# KiCad board ulx4m_panel.kicad_pcb (continued)
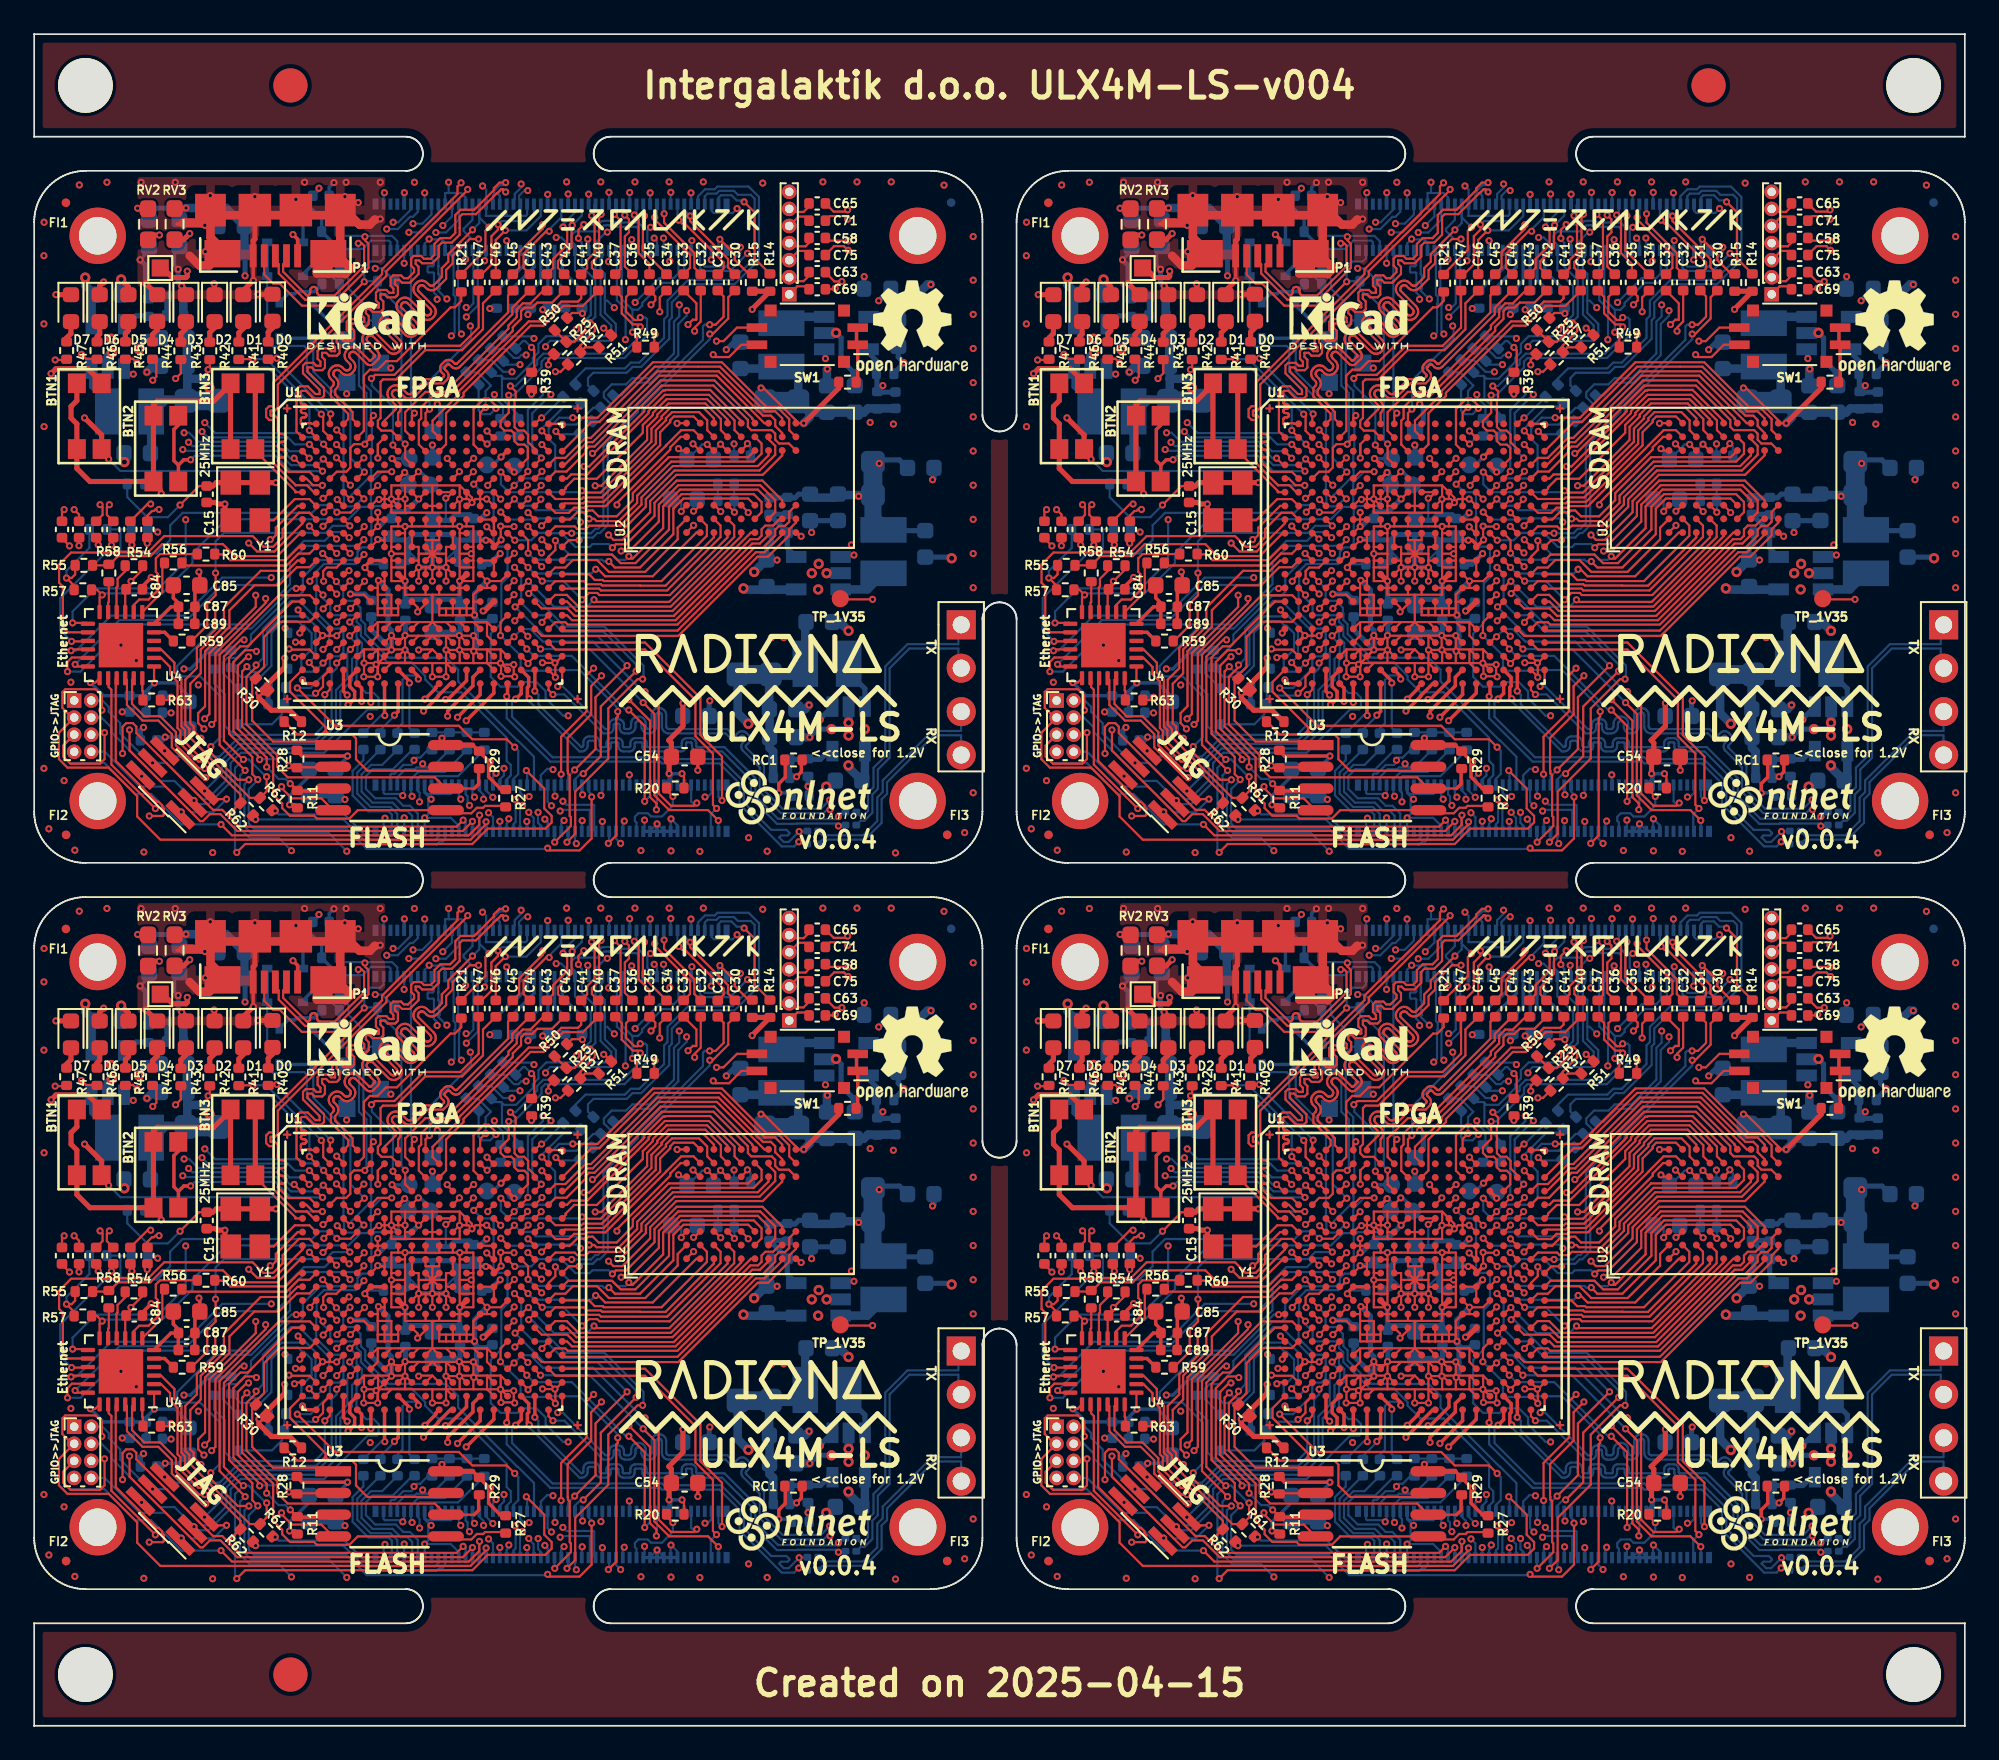
[diagram p0: board, top side]
## Routing (per net, layer and track width the routed paths; a pad name or vN(x,y) marks a point on that pad's centre or on a via; arc(x,y) is an arc through that point) (continued)
  Bottom w0.127: C93#4.2 45.23,9.84 v1(44.78,9.84) 44.17,9.23 43.88,9.23 43.61,9.5 43.72,9.61 44.11,9.61 44.21,9.71 44.21,9.77 44.04,9.94 43.15,9.94 41.55,11.54 41.55,12.75 40.22,14.08 36.85,14.08 36.75,14.18 30.35,14.18 27.98,16.55 27.98,17.38 v1(28.18,17.59)
Board_2-/serdes/S_5_P: length 71.7
  Top w0.127: C65#2.2 46.8,46.12 47.52,46.12 v1(47.62,46.22)
  Top w0.2: U1#3.Y16 27.71,17.79 v1(27.66,17.75)
  In2signal.Cu w0.127: v1(44.76,9.24) 44.99,9.01 48.21,9.01 49.43,10.22 49.43,12.57 52.05,15.19 52.05,22.25 54.49,24.69 54.49,39.07 49.67,43.89 49.67,44.71 48.3,46.07 47.77,46.07 v1(47.62,46.22)
  Bottom w0.127: C94#2.2 45.17,9.19 44.99,9.19 44.94,9.24 v1(44.76,9.24) 44.49,8.97 43.76,8.97 41.29,11.43 41.29,12.64 40.11,13.82 36.75,13.82 36.64,13.93 30.21,13.93 27.66,16.47 v1(27.66,17.75)
Board_2-/serdes/S_6_N: length 3.5
  Top w0.2: v1(24.2,16.59) 24.2,16.89 25.68,18.37 25.68,18.87 U1#3.W14
Board_2-/serdes/S_6_P: length 2.3
  Top w0.2: v1(24.08,17.57) 24.21,17.57 25.31,18.66 U1#3.W13
Board_2-/serdes/S_7_N: length 70.3
  Top w0.127: v1(47.65,43.85) 47.41,44.1 46.83,44.1 46.32,43.59 C75#3.1
  Top w0.2: U1#3.W18 29.31,18.06 v1(29.31,18.06)
  In2signal.Cu w0.127: v1(47.65,43.85) 47.78,43.99 48.14,43.99 49.08,43.04 49.12,42.99 49.15,42.94 49.16,42.88 49.16,42.81 49.15,42.75 49.12,42.69 49.04,42.6 49.01,42.54 49,42.48 49,42.41 49.01,42.35 49.04,42.3 49.08,42.25 49.11,42.22 49.16,42.18 49.21,42.15 49.27,42.14 49.34,42.14 49.4,42.15 49.46,42.18 49.56,42.26 49.61,42.29 49.67,42.3 49.74,42.3 49.8,42.29 49.86,42.26 49.91,42.22 50.42,41.71 50.44,41.68 50.45,41.65 50.46,41.61 50.46,41.58 50.45,41.54 50.44,41.51 50.42,41.48 50.02,41.08 49.96,41.01 49.92,40.93 49.9,40.84 49.9,40.74 49.92,40.65 49.96,40.57 50.02,40.5 50.05,40.46 50.13,40.41 50.21,40.37 50.3,40.34 50.39,40.34 50.48,40.37 50.57,40.41 50.64,40.46 51.04,40.86 51.06,40.88 51.1,40.9 51.13,40.91 51.17,40.91 51.2,40.9 51.24,40.88 51.27,40.86 53.68,38.45 53.68,27.74 52.96,27.02 52.96,24.86 50.69,22.59 50.69,15.04 48.43,12.78 48.43,11.03 47.95,10.55 47.24,10.55 v1(47.08,10.71)
  Bottom w0.127: C91#3.2 47.35,10.98 v1(47.08,10.71) 46.93,10.56 45.15,10.56 45.13,10.58 43.54,10.58 42.22,11.91 42.22,12.97 40.41,14.78 38.83,14.78 38.82,14.78 38.8,14.79 38.79,14.79 38.78,14.81 38.77,14.82 38.76,14.84 38.76,14.85 38.76,15 38.75,15.07 38.73,15.13 38.69,15.19 38.64,15.24 38.59,15.28 38.52,15.3 38.45,15.31 38.21,15.31 38.15,15.3 38.08,15.28 38.02,15.24 37.97,15.19 37.94,15.13 37.91,15.07 37.91,15 37.91,14.85 37.9,14.84 37.9,14.82 37.89,14.81 37.88,14.79 37.86,14.79 37.85,14.78 37.83,14.78 35.93,14.78 35.91,14.78 35.89,14.79 35.88,14.79 35.87,14.81 35.86,14.82 35.86,14.84 35.85,14.85 35.85,15 35.85,15.07 35.82,15.13 35.79,15.19 35.74,15.24 35.68,15.28 35.61,15.3 35.55,15.31 35.21,15.31 35.14,15.3 35.07,15.28 35.02,15.24 34.97,15.19 34.93,15.13 34.91,15.07 34.9,15 34.9,14.85 34.9,14.84 34.89,14.82 34.88,14.81 34.87,14.79 34.86,14.79 34.84,14.78 34.83,14.78 34.53,14.78 34.51,14.78 34.49,14.79 34.48,14.79 34.47,14.81 34.46,14.82 34.46,14.84 34.45,14.85 34.45,15 34.45,15.07 34.42,15.13 34.39,15.19 34.34,15.24 34.28,15.28 34.21,15.3 34.15,15.31 33.81,15.31 33.74,15.3 33.67,15.28 33.62,15.24 33.57,15.19 33.53,15.13 33.51,15.07 33.5,15 33.5,14.85 33.5,14.84 33.49,14.82 33.48,14.81 33.47,14.79 33.46,14.79 33.44,14.78 33.43,14.78 33.23,14.78 33.2,14.78 33.17,14.79 33.15,14.81 33.13,14.83 33.12,14.85 33.11,14.87 33.1,14.9 33.1,15.05 33.09,15.13 33.07,15.2 33.03,15.27 32.97,15.33 32.9,15.37 32.83,15.4 32.75,15.41 32.5,15.41 32.43,15.4 32.35,15.37 32.28,15.33 32.23,15.27 32.18,15.2 32.16,15.13 32.15,15.05 32.15,14.9 32.15,14.87 32.14,14.85 32.12,14.83 32.1,14.81 32.08,14.79 32.05,14.78 32.03,14.78 29.52,17.29 29.52,17.85 v1(29.31,18.06)
Board_2-/serdes/S_7_P: length 70.9
  Top w0.127: v1(47.66,44.41) 47.65,44.42 46.48,44.42 C58.2
  Top w0.2: v1(28.98,17.61) 28.87,17.72 28.87,18.27 28.95,18.35 28.95,18.86 U1#3.W17
  In2signal.Cu w0.127: v1(47.08,10.16) 47.19,10.28 48.04,10.28 48.69,10.92 48.69,12.67 50.95,14.94 50.95,22.49 53.22,24.75 53.22,26.91 53.93,27.63 53.93,38.58 51.44,41.07 51.37,41.13 51.29,41.17 51.2,41.19 51.1,41.19 51.01,41.17 50.93,41.13 50.86,41.07 50.46,40.68 50.43,40.65 50.4,40.64 50.36,40.63 50.33,40.63 50.29,40.64 50.26,40.65 50.23,40.68 50.21,40.7 50.19,40.74 50.18,40.77 50.18,40.81 50.19,40.84 50.21,40.88 50.23,40.9 50.63,41.3 50.69,41.38 50.73,41.46 50.75,41.55 50.75,41.64 50.73,41.73 50.69,41.81 50.63,41.89 48.27,44.25 47.82,44.25 v1(47.66,44.41)
  Bottom w0.127: C92#2.2 47.13,10.22 v1(47.08,10.16) 46.93,10.31 44.68,10.31 44.65,10.29 43.48,10.29 41.96,11.81 41.96,12.83 40.27,14.52 38.81,14.52 38.75,14.53 38.68,14.56 38.62,14.59 38.57,14.64 38.54,14.7 38.51,14.76 38.51,14.83 38.51,14.98 38.5,15 38.5,15.01 38.49,15.02 38.48,15.04 38.46,15.04 38.45,15.05 38.43,15.05 38.23,15.05 38.22,15.05 38.2,15.04 38.19,15.04 38.18,15.02 38.17,15.01 38.16,15 38.16,14.98 38.16,14.83 38.15,14.76 38.13,14.7 38.09,14.64 38.04,14.59 37.99,14.56 37.92,14.53 37.85,14.52 35.91,14.52 35.84,14.53 35.77,14.56 35.72,14.59 35.67,14.64 35.63,14.7 35.61,14.76 35.6,14.83 35.6,14.98 35.6,15 35.59,15.01 35.58,15.02 35.57,15.04 35.56,15.04 35.54,15.05 35.53,15.05 35.23,15.05 35.21,15.05 35.19,15.04 35.18,15.04 35.17,15.02 35.16,15.01 35.16,15 35.15,14.98 35.15,14.83 35.15,14.76 35.12,14.7 35.09,14.64 35.04,14.59 34.98,14.56 34.91,14.53 34.85,14.52 34.51,14.52 34.44,14.53 34.37,14.56 34.32,14.59 34.27,14.64 34.23,14.7 34.21,14.76 34.2,14.83 34.2,14.98 34.2,15 34.19,15.01 34.18,15.02 34.17,15.04 34.16,15.04 34.14,15.05 34.13,15.05 33.83,15.05 33.81,15.05 33.79,15.04 33.78,15.04 33.77,15.02 33.76,15.01 33.76,15 33.75,14.98 33.75,14.83 33.75,14.76 33.72,14.7 33.69,14.64 33.64,14.59 33.58,14.56 33.51,14.53 33.45,14.52 33.2,14.52 33.13,14.53 33.05,14.56 32.98,14.6 32.93,14.66 32.88,14.73 32.86,14.8 32.85,14.88 32.85,15.03 32.85,15.06 32.84,15.08 32.82,15.11 32.8,15.13 32.78,15.14 32.75,15.15 32.73,15.15 32.53,15.15 32.5,15.15 32.47,15.14 32.45,15.13 32.43,15.11 32.42,15.08 32.41,15.06 32.4,15.03 32.4,14.88 32.39,14.8 32.37,14.73 32.33,14.66 32.27,14.6 32.2,14.56 32.13,14.53 32.05,14.52 31.92,14.52 28.98,17.46 v1(28.98,17.61)
Board_2-/usb/D10_R4: length 1.6
  Bottom w0.2: D10#2.1 15.74,45.73 R4.1
Board_2-/usb/D11_R5: length 1.4
  Bottom w0.2: R5#4.1 16.18,42.9 15.74,42.46 D11#4.2
Board_2-/usb/D12_R6: length 2
  Bottom w0.2: R6.1 17.09,39.88 16.33,40.64 D12#3.1
Board_2-/usb/D13_R7: length 2.9
  Bottom w0.2: D13#2.2 14.86,41.31 15.26,41.31 15.38,41.44 16.4,41.44 R7#2.1
Board_2-BTN1: length 25.3
  Top w0.127: BTN1.2 4.36,31.81 v1(4.36,31.63) ; v1(16.87,30.1) 16.86,30.11 16.32,30.11 15.93,30.5 U1#3.E1
  Top w0.3: v1(2.95,34.05) 3.95,33.05 BTN1.2 ; v1(0.99,36.64) 1.28,36.92 3.14,36.92 3.95,36.12 BTN1.2
  In2signal.Cu w0.3: v1(2.95,34.05) 1.75,34.05 0.7,35.1 0.7,36.35 v1(0.99,36.64)
  Bottom w0.127: v1(16.87,30.1) 15.3,30.1 14.46,30.94 5.05,30.94 v1(4.36,31.63)
Board_2-BTN2: length 13.6
  Top w0.127: U1#3.D2 v1(16.88,30.93)
  Top w0.2: 8.45,31.28 8.45,30.33 BTN2#3.2 ; 8.45,31.28 8.18,31.55 8.18,33.37 8.44,33.62 BTN2#3.2 ; 8.45,31.28 8.76,31.6 v1(9.16,31.6)
  Bottom w0.127: v1(9.16,31.6) 9.39,31.83 14.12,31.83 15.02,30.93 v1(16.88,30.93)
Board_2-BTN3: length 7.8
  Top w0.127: 15.3,29.7 15.3,29.76 12.95,32.11 12.95,32.22 ; 15.3,29.7 U1#3.F1 ; 15.3,29.7 15.28,29.72
  Top w0.3: 12.95,32.22 12.95,36.07
Board_2-CAM0_C_N: length 31.9
  Top w0.127: U1#3.E2 16.12,30.89 14.89,30.89 14.26,31.51 14.27,31.56 14.29,31.61 14.31,31.65 14.35,31.69 14.39,31.71 14.44,31.73 14.49,31.74 14.54,31.74 14.59,31.74 14.64,31.76 14.68,31.79 14.71,31.82 14.74,31.87 14.76,31.91 14.76,31.96 14.76,32.01 14.74,32.06 14.71,32.11 14.68,32.14 14.64,32.17 14.59,32.19 14.54,32.19 14.49,32.19 14.44,32.2 14.39,32.21 14.35,32.24 14.31,32.28 14.29,32.32 14.27,32.37 14.26,32.42 14.27,32.47 14.29,32.52 14.31,32.56 14.35,32.6 14.39,32.62 14.44,32.64 14.49,32.65 14.54,32.65 14.59,32.65 14.64,32.67 14.68,32.69 14.71,32.73 14.74,32.77 14.76,32.82 14.76,32.87 14.76,32.92 14.74,32.97 14.71,33.01 14.68,33.05 14.64,33.08 14.59,33.09 14.54,33.1 14.49,33.1 14.44,33.11 14.39,33.12 14.35,33.15 14.31,33.18 14.29,33.23 14.27,33.28 14.26,33.33 14.26,34.01 14.09,34.18 13.86,34.18 13.84,34.2 13.84,34.45 13.86,34.47 14.09,34.47 14.26,34.65 14.26,36 20.62,42.36 20.62,42.63 25.38,47.39 v1(25.38,47.42)
  In2signal.Cu w0.127: v1(25.38,47.42) 25.17,47.42 24.73,46.97 24.73,46.78 24.95,46.55 26.43,46.55 26.43,46.56 26.46,46.55 27.53,46.55 28.51,47.53 v1(28.51,47.73)
  Bottom w0.127: J2#4.40 28.06,46.77 28.13,46.84 28.13,47.15 28.51,47.53 v1(28.51,47.73)
Board_2-CAM0_C_P: length 32.3
  Top w0.127: v1(24.99,47.8) 24.78,47.59 24.78,47.15 20.37,42.73 20.37,42.46 14.01,36.11 14.01,34.75 13.99,34.73 13.75,34.73 13.58,34.56 13.58,34.1 13.75,33.92 13.99,33.92 14.01,33.9 14.01,31.41 15.31,30.11 15.96,30.11 16.37,29.7 U1#3.F2
  In2signal.Cu w0.127: v1(24.99,47.8) 24.99,47.6 24.47,47.08 24.47,46.67 24.85,46.3 27.64,46.3 28.69,47.35 v1(28.89,47.35)
  Bottom w0.127: J2#4.42 28.46,46.77 28.39,46.84 28.39,47.05 28.69,47.35 v1(28.89,47.35)
Board_2-CAM0_D0_N: length 32.1
  Top w0.127: v1(26.02,44.51) 25.49,44.51 24.5,43.52 24.5,43.08 24.12,42.7 24.12,42.18 23.57,41.64 23.5,41.58 23.41,41.54 23.31,41.51 23.21,41.51 23.12,41.54 23.03,41.58 22.95,41.64 22.84,41.75 22.8,41.78 22.76,41.8 22.71,41.81 22.67,41.81 22.62,41.8 22.58,41.78 22.54,41.75 22.53,41.74 22.5,41.7 22.48,41.66 22.47,41.61 22.47,41.52 22.48,41.49 22.49,41.47 23.38,40.59 23.38,40.58 23.44,40.5 23.48,40.41 23.51,40.32 23.51,40.21 23.48,40.12 23.44,40.03 23.38,39.95 23.34,39.91 23.26,39.85 23.17,39.8 23.07,39.78 22.97,39.78 22.87,39.8 22.78,39.85 22.7,39.91 21.85,40.76 21.81,40.79 21.77,40.81 21.72,40.82 21.68,40.82 21.63,40.81 21.59,40.79 21.55,40.76 21.54,40.75 21.51,40.71 21.49,40.67 21.48,40.62 21.48,40.57 21.49,40.52 22.39,39.62 22.39,39.59 22.45,39.51 22.49,39.42 22.52,39.33 22.52,39.22 22.49,39.13 22.45,39.04 22.39,38.96 22.35,38.92 22.27,38.86 22.18,38.81 22.08,38.79 21.98,38.79 21.88,38.81 21.79,38.86 21.71,38.92 20.86,39.77 20.82,39.8 20.78,39.82 20.73,39.83 20.69,39.83 20.64,39.82 20.6,39.8 20.56,39.77 20.55,39.76 20.52,39.72 20.5,39.68 20.49,39.63 20.49,39.58 20.5,39.53 20.52,39.49 21.4,38.61 21.4,38.6 21.46,38.52 21.5,38.43 21.53,38.34 21.53,38.23 21.5,38.14 21.46,38.05 21.4,37.97 21.36,37.93 21.28,37.87 21.19,37.82 21.09,37.8 20.99,37.8 20.89,37.82 20.8,37.87 20.72,37.93 19.84,38.81 19.8,38.84 19.76,38.86 19.71,38.87 19.66,38.87 19.61,38.86 19.57,38.84 19.53,38.81 19.5,38.77 19.47,38.72 19.46,38.68 19.46,38.63 19.47,38.58 20.12,37.93 20.12,37.9 20.17,37.84 20.2,37.78 20.21,37.72 20.21,37.65 20.2,37.59 20.17,37.52 20.12,37.47 19.87,37.22 19.82,37.18 19.76,37.15 19.7,37.14 19.63,37.14 19.56,37.15 19.5,37.18 19.45,37.22 18.82,37.85 18.78,37.88 18.73,37.91 18.69,37.92 18.64,37.92 18.59,37.91 18.54,37.88 18.5,37.85 18.47,37.81 18.45,37.77 18.44,37.72 18.44,37.67 18.45,37.62 18.47,37.58 18.5,37.54 18.67,37.37 18.73,37.29 18.78,37.2 18.8,37.1 18.8,37 18.78,36.9 18.73,36.81 18.67,36.74 18.62,36.68 18.54,36.62 18.45,36.58 18.36,36.56 18.26,36.56 18.16,36.58 18.07,36.62 17.99,36.68 17.89,36.79 17.85,36.82 17.8,36.84 17.76,36.85 17.71,36.85 17.66,36.84 17.62,36.82 17.58,36.79 17.57,36.78 17.54,36.74 17.52,36.7 17.51,36.65 17.51,36.6 17.52,36.56 17.54,36.51 17.57,36.48 17.68,36.37 17.74,36.29 17.78,36.2 17.81,36.11 17.81,36.01 17.78,35.91 17.74,35.82 17.68,35.75 17.63,35.69 17.63,35.4 18.64,34.39 18.64,33.97 U1#3.A5
  Bottom w0.127: J2#4.28 25.66,45.63 25.14,45.11 25.14,44.99 25.61,44.51 v1(26.02,44.51)
Board_2-CAM0_D0_P: length 36.1
  Top w0.127: R21#2.1 25,42.46 26.42,43.88 26.42,45 v1(26.63,45.2) ; U1#3.A4 18.38,33.97 18.38,34.28 17.37,35.29 17.37,35.8 17.48,35.91 17.51,35.94 17.53,35.99 17.54,36.03 17.54,36.08 17.53,36.13 17.51,36.17 17.48,36.21 17.37,36.32 17.31,36.39 17.27,36.48 17.24,36.58 17.24,36.68 17.27,36.77 17.31,36.86 17.37,36.94 17.42,36.99 17.5,37.05 17.59,37.1 17.68,37.12 17.78,37.12 17.88,37.1 17.97,37.05 18.05,36.99 18.15,36.88 18.19,36.85 18.24,36.83 18.28,36.82 18.33,36.82 18.38,36.83 18.42,36.85 18.46,36.88 18.47,36.9 18.5,36.93 18.52,36.98 18.53,37.03 18.53,37.08 18.52,37.13 18.5,37.17 18.47,37.21 18.3,37.38 18.24,37.46 18.2,37.55 18.17,37.65 18.17,37.75 18.2,37.84 18.24,37.93 18.3,38.01 18.34,38.05 18.42,38.12 18.51,38.16 18.61,38.18 18.71,38.18 18.81,38.16 18.9,38.12 18.98,38.05 19.62,37.41 19.63,37.4 19.64,37.4 19.65,37.4 19.67,37.4 19.68,37.4 19.7,37.4 19.71,37.41 19.93,37.64 19.94,37.65 19.95,37.66 19.95,37.68 19.95,37.69 19.95,37.7 19.94,37.72 19.93,37.73 19.33,38.33 19.27,38.41 19.22,38.5 19.2,38.6 19.2,38.7 19.22,38.8 19.27,38.89 19.33,38.97 19.37,39.01 19.45,39.07 19.54,39.11 19.64,39.14 19.74,39.14 19.83,39.11 19.92,39.07 20,39.01 20.88,38.13 20.92,38.1 20.97,38.07 21.02,38.06 21.07,38.06 21.11,38.07 21.16,38.1 21.2,38.13 21.23,38.17 21.25,38.21 21.26,38.26 21.26,38.31 21.25,38.36 21.23,38.4 21.2,38.44 20.35,39.29 20.29,39.37 20.24,39.46 20.22,39.56 20.22,39.65 20.24,39.75 20.29,39.84 20.35,39.92 20.4,39.97 20.48,40.03 20.57,40.07 20.66,40.09 20.76,40.09 20.86,40.07 20.95,40.03 21.02,39.97 21.87,39.12 21.91,39.09 21.96,39.06 22.01,39.05 22.06,39.05 22.1,39.06 22.15,39.09 22.19,39.12 22.22,39.16 22.24,39.2 22.25,39.25 22.25,39.3 22.24,39.35 22.22,39.39 22.19,39.43 21.34,40.28 21.28,40.36 21.23,40.45 21.21,40.55 21.21,40.64 21.23,40.74 21.28,40.83 21.34,40.91 21.39,40.96 21.47,41.02 21.56,41.06 21.65,41.08 21.75,41.08 21.85,41.06 21.94,41.02 22.01,40.96 22.86,40.11 22.9,40.08 22.95,40.05 23,40.04 23.05,40.04 23.09,40.05 23.14,40.08 23.18,40.11 23.21,40.15 23.23,40.19 23.24,40.24 23.24,40.29 23.23,40.34 23.21,40.38 23.18,40.42 22.33,41.27 22.27,41.35 22.22,41.44 22.2,41.54 22.2,41.63 22.22,41.73 22.27,41.82 22.33,41.9 22.38,41.95 22.46,42.01 22.55,42.05 22.64,42.07 22.74,42.07 22.84,42.05 22.93,42.01 23,41.95 23.11,41.84 23.15,41.81 23.19,41.79 23.24,41.78 23.29,41.78 23.33,41.79 23.38,41.81 23.41,41.84 23.86,42.29 23.86,42.81 24.24,43.19 24.24,43.63 24.96,44.34 24.96,44.35 v1(25.66,45.05)
  Bottom w0.127: v1(26.63,45.2) 26.06,45.77 J2#4.30 26.06,45.45 v1(25.66,45.05)
Board_2-CAM0_D1_N: length 32
  Top w0.127: v1(27.6,47.81) 27.24,47.81 26.91,47.49 26.91,47.38 25.86,46.33 25.76,46.23 24.96,46.23 24.65,45.92 24.65,44.87 24.35,44.57 23.77,44.57 23.43,44.23 23.43,43.59 23.2,43.36 23.02,43.36 23.02,43.36 22.82,43.36 22.65,43.53 22.23,43.53 22.07,43.37 22.07,42.95 22.24,42.78 22.24,42.58 21.88,42.22 21.64,42.22 21.47,42.39 21.02,42.39 20.86,42.23 20.86,41.78 21.03,41.61 21.03,41.37 21.03,41.36 20.79,41.36 20.62,41.53 20.16,41.53 20.01,41.38 20.01,40.92 20.18,40.75 20.18,40.51 20.17,40.51 19.94,40.51 19.77,40.68 19.31,40.68 19.15,40.52 19.15,40.07 19.32,39.9 19.32,39.66 19.32,39.66 19.08,39.66 18.91,39.83 18.46,39.83 18.3,39.67 18.3,39.21 18.47,39.04 18.47,38.8 18.47,38.8 18.23,38.8 18.06,38.97 17.6,38.97 17.44,38.81 17.44,38.36 17.61,38.19 17.61,37.95 17.61,37.95 17.37,37.95 17.2,38.12 16.75,38.12 16.59,37.96 16.59,37.5 16.76,37.33 16.76,37.1 16.52,37.1 16.35,37.27 15.9,37.27 15.74,37.11 15.74,36.65 16.71,35.68 16.71,35.44 16.47,35.44 16.02,35.89 15.56,35.89 15.36,35.69 15.36,33.25 U1#3.B1
  Bottom w0.127: J2#4.34 26.86,47.05 26.93,47.12 26.93,47.34 27.26,47.67 27.45,47.67 v1(27.6,47.81)
Board_2-CAM0_D1_P: length 32
  Top w0.127: U1#3.A2 16.25,33.7 16.21,33.74 15.88,33.74 15.8,33.66 15.66,33.66 15.61,33.71 15.61,33.95 15.61,33.97 15.62,34 15.64,34.03 15.66,34.05 15.68,34.06 15.71,34.07 15.74,34.07 15.81,34.07 15.84,34.08 15.87,34.09 15.89,34.1 15.91,34.12 15.93,34.14 15.94,34.17 15.94,34.2 15.94,34.23 15.93,34.26 15.91,34.28 15.89,34.3 15.87,34.31 15.84,34.32 15.81,34.33 15.74,34.33 15.71,34.33 15.68,34.34 15.66,34.35 15.64,34.37 15.62,34.4 15.61,34.43 15.61,34.45 15.61,34.48 15.62,34.51 15.64,34.53 15.66,34.55 15.68,34.57 15.71,34.58 15.74,34.58 15.81,34.58 15.84,34.58 15.87,34.59 15.89,34.61 15.91,34.63 15.93,34.65 15.94,34.68 15.94,34.71 15.94,34.74 15.93,34.76 15.91,34.79 15.89,34.81 15.87,34.82 15.84,34.83 15.81,34.83 15.74,34.83 15.71,34.84 15.68,34.85 15.66,34.86 15.64,34.88 15.62,34.91 15.61,34.93 15.61,34.96 15.61,35.57 15.67,35.63 15.91,35.63 16.36,35.18 16.82,35.18 16.97,35.33 16.97,35.79 16,36.76 16,37 16,37 16.24,37 16.41,36.83 16.87,36.83 17.02,36.99 17.02,37.44 16.85,37.61 16.85,37.85 16.86,37.85 17.09,37.85 17.26,37.68 17.72,37.68 17.88,37.84 17.88,38.3 17.71,38.47 17.71,38.71 17.71,38.71 17.95,38.71 18.12,38.54 18.57,38.54 18.73,38.7 18.73,39.15 18.56,39.32 18.56,39.56 18.56,39.56 18.8,39.56 18.97,39.39 19.43,39.39 19.58,39.55 19.58,40.01 19.42,40.18 19.42,40.41 19.42,40.42 19.66,40.42 19.83,40.25 20.28,40.25 20.44,40.4 20.44,40.86 20.27,41.03 20.27,41.27 20.27,41.27 20.51,41.27 20.68,41.1 21.14,41.1 21.29,41.26 21.29,41.71 21.12,41.88 21.12,42.12 21.13,42.13 21.37,42.13 21.53,41.96 21.99,41.96 22.5,42.47 22.5,42.89 22.33,43.06 22.33,43.26 22.34,43.26 22.54,43.26 22.71,43.09 23.3,43.09 23.69,43.48 23.69,44.12 23.87,44.31 24.45,44.31 24.91,44.76 24.91,45.17 24.91,45.17 24.91,45.82 25.06,45.97 25.86,45.97 27.09,47.2 27.1,47.2 27.34,47.44 27.43,47.44 v1(27.6,47.27)
  Bottom w0.127: v1(27.6,47.27) 27.45,47.41 27.37,47.41 27.19,47.23 27.19,47.12 27.26,47.05 J2#4.36
Board_2-CAM1_C_N: length 20.3
  Top w0.127: v1(16.91,29.34) 16.95,29.34 U1#3.F3
  In2signal.Cu w0.127: v1(16.91,29.34) 16.91,29.46 17.29,29.84 17.29,30.7 17.3,30.7 17.3,30.71 17.3,30.72 17.3,30.74 17.3,30.75 17.3,30.76 17.28,30.77 17.28,30.78 17.28,30.8 17.28,30.81 17.28,30.82 17.28,30.83 17.29,30.84 17.4,30.95 17.41,30.95 17.42,30.96 17.43,30.96 17.44,30.96 17.45,30.96 17.46,30.95 17.48,30.94 17.49,30.93 17.5,30.93 17.51,30.93 17.52,30.93 17.53,30.94 17.54,30.95 17.65,31.05 17.66,31.06 17.66,31.07 17.66,31.08 17.66,31.1 17.66,31.11 17.66,31.12 17.64,31.13 17.64,31.14 17.63,31.15 17.63,31.17 17.64,31.18 17.64,31.19 17.65,31.2 17.76,31.3 17.77,31.31 17.78,31.32 17.79,31.32 17.8,31.32 17.81,31.32 17.82,31.31 17.84,31.3 17.85,31.29 17.86,31.29 17.87,31.29 17.88,31.29 17.89,31.3 17.9,31.3 18.42,31.82 18.41,31.85 18.4,31.88 18.39,31.9 18.37,31.92 18.34,31.94 18.32,31.95 18.29,31.95 18.1,31.95 18.07,31.95 18.04,31.96 18.02,31.98 18,32 17.98,32.02 17.97,32.05 17.97,32.08 17.97,32.1 17.98,32.13 18,32.15 18.02,32.17 18.04,32.19 18.07,32.2 18.1,32.2 18.29,32.2 18.32,32.21 18.34,32.21 18.37,32.23 18.39,32.25 18.4,32.27 18.41,32.3 18.42,32.33 18.42,32.82 19.38,33.78 20.05,33.78 22.47,36.2 22.47,37.98 24.99,40.51 v1(25.29,40.51)
  Bottom w0.127: v1(25.29,40.51) 25.47,40.51 25.71,40.75 25.71,43.79 J2#4.27
Board_2-CAM1_C_P: length 20.3
  Top w0.127: U1#3.G3 16.96,28.54 v1(16.96,28.53)
  In2signal.Cu w0.127: v1(25.3,39.95) 24.81,39.95 22.72,37.87 22.72,36.1 20.15,33.53 19.48,33.53 18.69,32.74 18.69,31.74 17.55,30.6 17.55,29.74 17.33,29.52 17.33,28.9 v1(16.96,28.53)
  Bottom w0.127: J2#4.29 25.97,43.75 25.97,40.62 v1(25.3,39.95)
Board_2-CAM1_D0_N: length 19.3
  Top w0.127: v1(17.71,33.34) 18.11,32.94 U1#3.B4
  In2signal.Cu w0.127: v1(17.71,33.34) 18.06,33.34 18.6,33.88 18.62,33.92 18.64,33.96 18.65,34 18.65,34.04 18.64,34.08 18.62,34.12 18.6,34.16 18.38,34.38 18.32,34.45 18.28,34.54 18.26,34.63 18.26,34.73 18.28,34.82 18.32,34.91 18.38,34.98 18.42,35.02 18.49,35.08 18.58,35.12 18.67,35.14 18.77,35.14 18.86,35.12 18.95,35.08 19.02,35.02 19.24,34.8 19.28,34.78 19.31,34.76 19.36,34.75 19.4,34.75 19.44,34.76 19.48,34.78 19.52,34.8 19.59,34.87 19.62,34.87 20.71,35.96 20.77,36.01 20.83,36.04 20.9,36.05 20.97,36.05 21.04,36.04 21.1,36.01 21.15,35.96 21.26,35.86 21.27,35.85 21.28,35.84 21.3,35.84 21.32,35.84 21.33,35.84 21.34,35.85 21.36,35.86 21.46,35.96 21.47,35.98 21.48,35.99 21.48,36 21.48,36.02 21.48,36.03 21.47,36.05 21.46,36.06 21.36,36.17 21.31,36.22 21.28,36.28 21.27,36.35 21.27,36.42 21.28,36.49 21.31,36.55 21.36,36.61 21.37,36.62 21.37,36.62 21.37,37.85 22.05,38.53 22.07,38.56 22.09,38.58 22.1,38.62 22.1,38.65 22.09,38.68 22.07,38.71 22.05,38.73 21.84,38.95 21.79,39.02 21.75,39.09 21.73,39.18 21.73,39.26 21.75,39.35 21.79,39.42 21.84,39.49 21.87,39.52 21.94,39.58 22.02,39.61 22.1,39.63 22.19,39.63 22.27,39.61 22.35,39.58 22.41,39.52 22.63,39.31 22.65,39.29 22.68,39.27 22.71,39.27 22.75,39.27 22.78,39.27 22.81,39.29 22.83,39.31 22.85,39.33 22.87,39.36 22.87,39.39 22.87,39.43 22.87,39.46 22.85,39.49 22.83,39.51 22.62,39.73 22.56,39.79 22.53,39.87 22.51,39.95 22.51,40.04 22.53,40.12 22.56,40.2 22.62,40.27 22.65,40.3 22.72,40.35 22.79,40.39 22.88,40.41 22.96,40.41 23.05,40.39 23.12,40.35 23.19,40.3 23.41,40.09 23.43,40.07 23.46,40.05 23.49,40.04 23.52,40.04 23.56,40.05 23.58,40.07 23.61,40.09 23.94,40.42 23.94,40.64 v1(23.59,40.99)
  Bottom w0.127: J2#4.15 23.26,43.35 23.4,43.21 23.4,42.99 23.33,42.92 23.07,42.92 23.03,42.88 23.03,42.61 23.08,42.56 23.36,42.56 23.4,42.52 23.4,41.38 23.59,41.19 v1(23.59,40.99)
Board_2-CAM1_D0_P: length 20.4
  Top w0.127: v1(17.7,32.49) 18.09,32.1 U1#3.C4
  In2signal.Cu w0.127: v1(24.16,41.01) 24.25,40.91 24.25,40.36 23.78,39.88 23.71,39.83 23.63,39.79 23.55,39.77 23.47,39.77 23.38,39.79 23.3,39.83 23.24,39.88 23.02,40.1 23,40.12 22.97,40.13 22.94,40.14 22.9,40.14 22.87,40.13 22.84,40.12 22.82,40.1 22.8,40.07 22.78,40.05 22.78,40.01 22.78,39.98 22.78,39.95 22.8,39.92 22.82,39.9 23.03,39.68 23.09,39.61 23.12,39.54 23.14,39.45 23.14,39.37 23.12,39.28 23.09,39.21 23.03,39.14 23,39.11 22.93,39.05 22.86,39.02 22.77,39 22.69,39 22.6,39.02 22.53,39.05 22.46,39.11 22.24,39.32 22.22,39.34 22.19,39.36 22.16,39.36 22.13,39.36 22.1,39.36 22.07,39.34 22.04,39.32 22.02,39.3 22.01,39.27 22,39.24 22,39.2 22.01,39.17 22.02,39.14 22.04,39.12 22.26,38.9 22.31,38.84 22.35,38.76 22.37,38.68 22.37,38.59 22.35,38.51 22.31,38.43 22.26,38.36 21.63,37.73 21.63,37.65 21.63,37.62 21.64,37.59 21.65,37.57 21.67,37.55 21.7,37.53 21.73,37.53 21.75,37.52 22.05,37.52 22.08,37.52 22.11,37.51 22.13,37.49 22.15,37.47 22.16,37.45 22.17,37.42 22.18,37.39 22.17,37.37 22.16,37.34 22.15,37.32 22.13,37.3 22.11,37.28 22.08,37.27 22.05,37.27 21.75,37.27 21.73,37.26 21.7,37.26 21.67,37.24 21.65,37.22 21.64,37.2 21.63,37.17 21.63,37.14 21.63,36.51 21.56,36.44 21.55,36.42 21.54,36.41 21.54,36.4 21.54,36.38 21.54,36.36 21.55,36.35 21.56,36.34 21.66,36.23 21.7,36.18 21.74,36.11 21.75,36.05 21.75,35.98 21.74,35.91 21.7,35.85 21.66,35.79 21.53,35.66 21.47,35.62 21.41,35.58 21.34,35.57 21.27,35.57 21.2,35.58 21.14,35.62 21.09,35.66 20.98,35.76 20.97,35.77 20.96,35.78 20.94,35.78 20.92,35.78 20.91,35.78 20.9,35.77 20.88,35.76 19.74,34.62 19.7,34.62 19.7,34.62 19.68,34.6 19.61,34.54 19.52,34.5 19.43,34.48 19.33,34.48 19.24,34.5 19.15,34.54 19.08,34.6 18.86,34.82 18.82,34.84 18.78,34.86 18.74,34.87 18.7,34.87 18.66,34.86 18.62,34.84 18.58,34.82 18.56,34.78 18.54,34.74 18.53,34.7 18.53,34.66 18.54,34.61 18.56,34.58 18.58,34.54 18.8,34.32 18.86,34.25 18.9,34.16 18.92,34.07 18.92,33.97 18.9,33.88 18.86,33.79 18.8,33.72 18.78,33.7 17.91,32.83 17.91,32.7 v1(17.7,32.49)
  Bottom w0.127: J2#4.17 23.66,43.4 23.66,43.37 23.66,42.95 23.67,42.95 23.66,42.92 23.66,42.89 23.66,42.5 23.66,42.48 23.67,42.45 23.69,42.42 23.71,42.4 23.73,42.39 23.73,42.11 23.71,42.1 23.69,42.08 23.67,42.05 23.66,42.02 23.66,42 23.66,41.97 23.67,41.94 23.69,41.92 23.71,41.9 23.73,41.88 23.73,41.6 23.71,41.59 23.69,41.57 23.67,41.54 23.66,41.52 23.66,41.49 24.14,41.01 v1(24.16,41.01)
Board_2-CAM1_D1_N: length 21.4
  Top w0.127: U1#3.D5 18.91,31.32 v1(19.3,31.71)
  In2signal.Cu w0.127: v1(19.3,31.71) 19.3,31.83 19.82,32.34 19.83,32.36 19.84,32.37 19.84,32.39 19.84,32.4 19.84,32.42 19.83,32.43 19.81,32.46 19.8,32.47 19.8,32.49 19.8,32.5 19.8,32.52 19.81,32.53 19.82,32.55 19.9,32.62 19.91,32.63 19.93,32.64 19.94,32.64 19.96,32.64 19.97,32.64 19.99,32.63 20.01,32.61 20.03,32.61 20.04,32.6 20.06,32.6 20.07,32.61 20.09,32.61 20.1,32.62 20.18,32.7 20.2,32.73 20.21,32.75 20.21,32.78 20.21,32.81 20.21,32.84 20.2,32.86 20.18,32.88 20.01,33.05 19.99,33.07 19.98,33.1 19.97,33.13 19.97,33.16 19.98,33.18 19.99,33.21 20.01,33.23 20.03,33.25 20.06,33.26 20.09,33.27 20.11,33.27 20.14,33.26 20.17,33.25 20.19,33.23 20.36,33.06 20.38,33.05 20.41,33.03 20.43,33.03 20.46,33.03 20.49,33.03 20.52,33.05 20.54,33.06 20.56,33.09 20.57,33.11 20.57,33.14 20.57,33.17 20.57,33.19 20.56,33.22 20.54,33.24 20.51,33.27 20.49,33.29 20.48,33.32 20.47,33.34 20.47,33.37 20.48,33.4 20.49,33.43 20.51,33.45 20.53,33.47 20.56,33.48 20.59,33.49 20.61,33.49 20.64,33.48 20.67,33.47 20.69,33.45 20.72,33.42 20.74,33.4 20.77,33.39 20.79,33.39 20.82,33.39 20.85,33.39 20.87,33.4 20.9,33.42 20.9,33.42 23.15,33.42 24.05,34.32 24.05,35.5 23.34,36.21 23.34,36.47 23.28,36.53 23.28,36.53 23.2,36.6 23.15,36.66 23.12,36.74 23.1,36.81 23.1,36.89 23.12,36.97 23.15,37.04 23.2,37.1 23.25,37.15 23.31,37.2 23.38,37.23 23.46,37.25 23.54,37.25 23.61,37.23 23.68,37.2 23.75,37.15 24.29,36.6 24.31,36.59 24.34,36.57 24.36,36.57 24.39,36.57 24.41,36.57 24.44,36.59 24.46,36.6 24.47,36.62 24.49,36.64 24.5,36.66 24.51,36.69 24.51,36.71 24.5,36.74 24.49,36.76 24.47,36.78 24.21,37.05 24.21,37.05 23.93,37.33 23.88,37.39 23.85,37.47 23.83,37.54 23.83,37.62 23.85,37.7 23.88,37.77 23.93,37.83 23.98,37.88 24.04,37.93 24.11,37.96 24.19,37.98 24.27,37.98 24.34,37.96 24.41,37.93 24.48,37.88 24.58,37.77 24.6,37.76 24.63,37.74 24.65,37.74 24.68,37.74 24.7,37.74 24.73,37.76 24.75,37.77 24.75,37.77 24.75,38.52 v1(24.42,38.85)
  Bottom w0.127: J2#4.21 24.55,43.75 24.55,41.24 24.65,41.14 24.65,40.77 24.61,40.72 24.61,39.04 v1(24.42,38.85)
